# Altium PCB OctopusPB_r0102.PcbDoc (part 1 of 10) (continued)
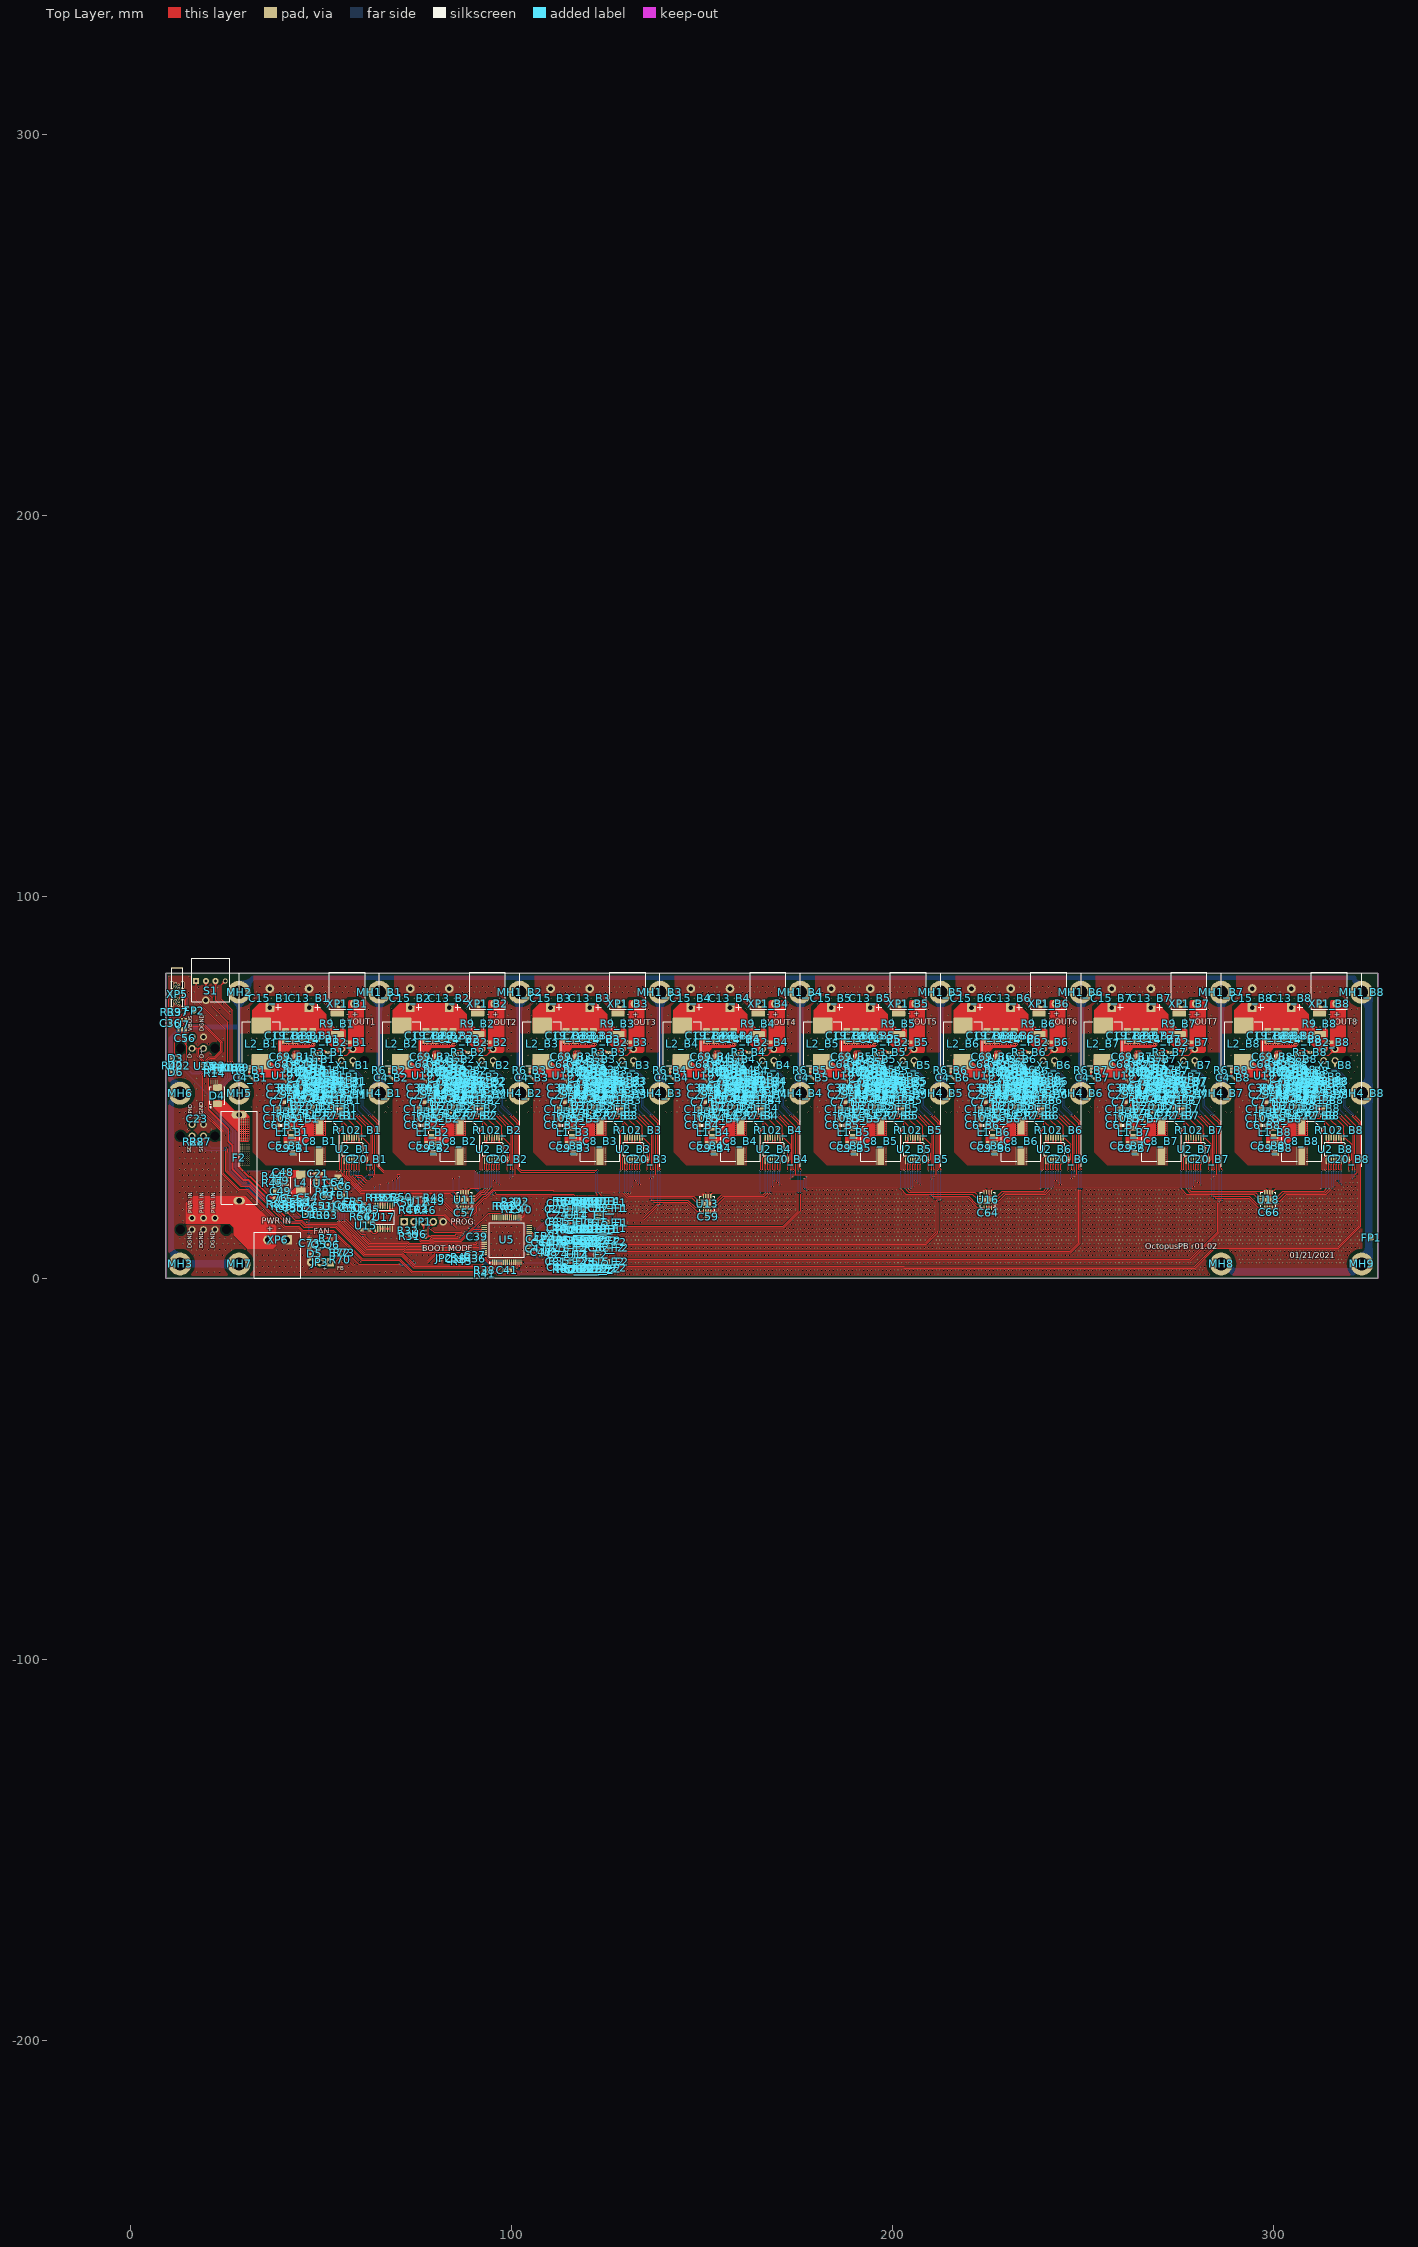
[diagram p0: Top Layer view]
## Classes and differential pairs (continued)
component class Designator: C57 C59 C60 C61 C62 C63 C64 C65 C66 FB5 R12 R13 R46 R47 R48 R49 R50 R51 R52 R54 R55 U11 U12 U13 U15 U16 U17 U18
component class B8: C2_B8 C4_B8 C5_B8 C6_B8 C7_B8 C8_B8 C9_B8 C10_B8 C11_B8 C12_B8 C13_B8 C14_B8 C15_B8 C16_B8 C17_B8 C18_B8 C19_B8 C20_B8 C22_B8 C26_B8 C27_B8 C28_B8 C29_B8 C30_B8 C31_B8 C32_B8 C33_B8 C34_B8 C35_B8 C68_B8 C69_B8 C71_B8 C72_B8 C74_B8 C77_B8 FB1_B8 FB2_B8 L1_B8 L2_B8 L3_B8 MH1_B8 MH4_B8 R1_B8 R2_B8 R3_B8 R4_B8 R5_B8 R6_B8 R7_B8 R8_B8 R9_B8 R10_B8 R11_B8 R20_B8 R21_B8 R23_B8 R24_B8 R25_B8 R26_B8 R58_B8 R59_B8 R65_B8 R66_B8 R67_B8 R74_B8 R83_B8 R102_B8 U2_B8 U3_B8 U4_B8 U19_B8 U20_B8 U21_B8 X1_B8 XP1_B8 XP2_B8
component class B7: C2_B7 C4_B7 C5_B7 C6_B7 C7_B7 C8_B7 C9_B7 C10_B7 C11_B7 C12_B7 C13_B7 C14_B7 C15_B7 C16_B7 C17_B7 C18_B7 C19_B7 C20_B7 C22_B7 C26_B7 C27_B7 C28_B7 C29_B7 C30_B7 C31_B7 C32_B7 C33_B7 C34_B7 C35_B7 C68_B7 C69_B7 C71_B7 C72_B7 C74_B7 C77_B7 FB1_B7 FB2_B7 L1_B7 L2_B7 L3_B7 MH1_B7 MH4_B7 R1_B7 R2_B7 R3_B7 R4_B7 R5_B7 R6_B7 R7_B7 R8_B7 R9_B7 R10_B7 R11_B7 R20_B7 R21_B7 R23_B7 R24_B7 R25_B7 R26_B7 R58_B7 R59_B7 R65_B7 R66_B7 R67_B7 R74_B7 R83_B7 R102_B7 U2_B7 U3_B7 U4_B7 U19_B7 U20_B7 U21_B7 X1_B7 XP1_B7 XP2_B7
component class B6: C2_B6 C4_B6 C5_B6 C6_B6 C7_B6 C8_B6 C9_B6 C10_B6 C11_B6 C12_B6 C13_B6 C14_B6 C15_B6 C16_B6 C17_B6 C18_B6 C19_B6 C20_B6 C22_B6 C26_B6 C27_B6 C28_B6 C29_B6 C30_B6 C31_B6 C32_B6 C33_B6 C34_B6 C35_B6 C68_B6 C69_B6 C71_B6 C72_B6 C74_B6 C77_B6 FB1_B6 FB2_B6 L1_B6 L2_B6 L3_B6 MH1_B6 MH4_B6 R1_B6 R2_B6 R3_B6 R4_B6 R5_B6 R6_B6 R7_B6 R8_B6 R9_B6 R10_B6 R11_B6 R20_B6 R21_B6 R23_B6 R24_B6 R25_B6 R26_B6 R58_B6 R59_B6 R65_B6 R66_B6 R67_B6 R74_B6 R83_B6 R102_B6 U2_B6 U3_B6 U4_B6 U19_B6 U20_B6 U21_B6 X1_B6 XP1_B6 XP2_B6
component class B5: C2_B5 C4_B5 C5_B5 C6_B5 C7_B5 C8_B5 C9_B5 C10_B5 C11_B5 C12_B5 C13_B5 C14_B5 C15_B5 C16_B5 C17_B5 C18_B5 C19_B5 C20_B5 C22_B5 C26_B5 C27_B5 C28_B5 C29_B5 C30_B5 C31_B5 C32_B5 C33_B5 C34_B5 C35_B5 C68_B5 C69_B5 C71_B5 C72_B5 C74_B5 C77_B5 FB1_B5 FB2_B5 L1_B5 L2_B5 L3_B5 MH1_B5 MH4_B5 R1_B5 R2_B5 R3_B5 R4_B5 R5_B5 R6_B5 R7_B5 R8_B5 R9_B5 R10_B5 R11_B5 R20_B5 R21_B5 R23_B5 R24_B5 R25_B5 R26_B5 R58_B5 R59_B5 R65_B5 R66_B5 R67_B5 R74_B5 R83_B5 R102_B5 U2_B5 U3_B5 U4_B5 U19_B5 U20_B5 U21_B5 X1_B5 XP1_B5 XP2_B5
component class B4: C2_B4 C4_B4 C5_B4 C6_B4 C7_B4 C8_B4 C9_B4 C10_B4 C11_B4 C12_B4 C13_B4 C14_B4 C15_B4 C16_B4 C17_B4 C18_B4 C19_B4 C20_B4 C22_B4 C26_B4 C27_B4 C28_B4 C29_B4 C30_B4 C31_B4 C32_B4 C33_B4 C34_B4 C35_B4 C68_B4 C69_B4 C71_B4 C72_B4 C74_B4 C77_B4 FB1_B4 FB2_B4 L1_B4 L2_B4 L3_B4 MH1_B4 MH4_B4 R1_B4 R2_B4 R3_B4 R4_B4 R5_B4 R6_B4 R7_B4 R8_B4 R9_B4 R10_B4 R11_B4 R20_B4 R21_B4 R23_B4 R24_B4 R25_B4 R26_B4 R58_B4 R59_B4 R65_B4 R66_B4 R67_B4 R74_B4 R83_B4 R102_B4 U2_B4 U3_B4 U4_B4 U19_B4 U20_B4 U21_B4 X1_B4 XP1_B4 XP2_B4
component class B3: C2_B3 C4_B3 C5_B3 C6_B3 C7_B3 C8_B3 C9_B3 C10_B3 C11_B3 C12_B3 C13_B3 C14_B3 C15_B3 C16_B3 C17_B3 C18_B3 C19_B3 C20_B3 C22_B3 C26_B3 C27_B3 C28_B3 C29_B3 C30_B3 C31_B3 C32_B3 C33_B3 C34_B3 C35_B3 C68_B3 C69_B3 C71_B3 C72_B3 C74_B3 C77_B3 FB1_B3 FB2_B3 L1_B3 L2_B3 L3_B3 MH1_B3 MH4_B3 R1_B3 R2_B3 R3_B3 R4_B3 R5_B3 R6_B3 R7_B3 R8_B3 R9_B3 R10_B3 R11_B3 R20_B3 R21_B3 R23_B3 R24_B3 R25_B3 R26_B3 R58_B3 R59_B3 R65_B3 R66_B3 R67_B3 R74_B3 R83_B3 R102_B3 U2_B3 U3_B3 U4_B3 U19_B3 U20_B3 U21_B3 X1_B3 XP1_B3 XP2_B3
component class B2: C2_B2 C4_B2 C5_B2 C6_B2 C7_B2 C8_B2 C9_B2 C10_B2 C11_B2 C12_B2 C13_B2 C14_B2 C15_B2 C16_B2 C17_B2 C18_B2 C19_B2 C20_B2 C22_B2 C26_B2 C27_B2 C28_B2 C29_B2 C30_B2 C31_B2 C32_B2 C33_B2 C34_B2 C35_B2 C68_B2 C69_B2 C71_B2 C72_B2 C74_B2 C77_B2 FB1_B2 FB2_B2 L1_B2 L2_B2 L3_B2 MH1_B2 MH4_B2 R1_B2 R2_B2 R3_B2 R4_B2 R5_B2 R6_B2 R7_B2 R8_B2 R9_B2 R10_B2 R11_B2 R20_B2 R21_B2 R23_B2 R24_B2 R25_B2 R26_B2 R58_B2 R59_B2 R65_B2 R66_B2 R67_B2 R74_B2 R83_B2 R102_B2 U2_B2 U3_B2 U4_B2 U19_B2 U20_B2 U21_B2 X1_B2 XP1_B2 XP2_B2
component class B1: C2_B1 C4_B1 C5_B1 C6_B1 C7_B1 C8_B1 C9_B1 C10_B1 C11_B1 C12_B1 C13_B1 C14_B1 C15_B1 C16_B1 C17_B1 C18_B1 C19_B1 C20_B1 C22_B1 C26_B1 C27_B1 C28_B1 C29_B1 C30_B1 C31_B1 C32_B1 C33_B1 C34_B1 C35_B1 C68_B1 C69_B1 C71_B1 C72_B1 C74_B1 C77_B1 FB1_B1 FB2_B1 L1_B1 L2_B1 L3_B1 MH1_B1 MH4_B1 R1_B1 R2_B1 R3_B1 R4_B1 R5_B1 R6_B1 R7_B1 R8_B1 R9_B1 R10_B1 R11_B1 R20_B1 R21_B1 R23_B1 R24_B1 R25_B1 R26_B1 R58_B1 R59_B1 R65_B1 R66_B1 R67_B1 R74_B1 R83_B1 R102_B1 U2_B1 U3_B1 U4_B1 U19_B1 U20_B1 U21_B1 X1_B1 XP1_B1 XP2_B1
channel class BuckConverter: B1 B2 B3 B4 B5 B6 B7 B8
net class VOUT_CH[1..8]: VOUT_CH1 VOUT_CH2 VOUT_CH3 VOUT_CH4 VOUT_CH5 VOUT_CH6 VOUT_CH7 VOUT_CH8
component class Control: C1 C23 C37 C38 C39 C40 C41 C42 C43 C44 C45 C46 C47 C73 D2 D5 D? F1 F? FB3 FP1 FP2 JP1 JP2 JP3 JP? L? MH2 MH3 MH5 MH6 MH7 MH8 MH9 Q5 Q6 R27 R28 R29 R30 R31 R32 R33 R34 R36 R38 R41 R42 R43 R68 R69 R70 R71 R72 R73 R106 R107 R108 R109 S1 U5 U6 U8 U? X3 XP3 XP?
differential pair METER_USB_D: +METER_USB_D_P -METER_USB_D_N
differential pair CUSB_D: +CUSB_D_P -CUSB_D_N
differential pair MCU_USB_D: +MCU_USB_D_P -MCU_USB_D_N

## Components (designator, comment, footprint, x,y, rotation, side; value= is the part's Value field where it differs from the comment)
C1 "100n" CC0402M 109.15,9.325 r90 top
C2_B1 "1n" CC0402M 47.5,54.175 r270 top (schematic designator C2)
C2_B2 "1n" CC0402M 84.325,54.175 r270 top (schematic designator C2)
C2_B3 "1n" CC0402M 121.15,54.175 r270 top (schematic designator C2)
C2_B4 "1n" CC0402M 157.975,54.175 r270 top (schematic designator C2)
C2_B5 "1n" CC0402M 194.8,54.175 r270 top (schematic designator C2)
C2_B6 "1n" CC0402M 231.625,54.175 r270 top (schematic designator C2)
C2_B7 "1n" CC0402M 268.45,54.175 r270 top (schematic designator C2)
C2_B8 "1n" CC0402M 305.275,54.175 r270 top (schematic designator C2)
C3 "1n" CC0603M 51.675,21.45 r180 top
C4 "22u" CC1206M 54.45,25.125 r90 top
C4_B1 "39p" CC0402M 31.6,52.625 r315 top (schematic designator C4)
C4_B2 "39p" CC0402M 68.425,52.625 r315 top (schematic designator C4)
C4_B3 "39p" CC0402M 105.25,52.625 r315 top (schematic designator C4)
C4_B4 "39p" CC0402M 142.075,52.625 r315 top (schematic designator C4)
C4_B5 "39p" CC0402M 178.9,52.625 r315 top (schematic designator C4)
C4_B6 "39p" CC0402M 215.725,52.625 r315 top (schematic designator C4)
C4_B7 "39p" CC0402M 252.55,52.625 r315 top (schematic designator C4)
C4_B8 "39p" CC0402M 289.375,52.625 r315 top (schematic designator C4)
C5 "100n" CC0603M 52.625,25.025 r90 top
C5_B1 "10n" CC0603M 40.8,34.675 r270 top (schematic designator C5)
C5_B2 "10n" CC0603M 77.625,34.675 r270 top (schematic designator C5)
C5_B3 "10n" CC0603M 114.45,34.675 r270 top (schematic designator C5)
C5_B4 "10n" CC0603M 151.275,34.675 r270 top (schematic designator C5)
C5_B5 "10n" CC0603M 188.1,34.675 r270 top (schematic designator C5)
C5_B6 "10n" CC0603M 224.925,34.675 r270 top (schematic designator C5)
C5_B7 "10n" CC0603M 261.75,34.675 r270 top (schematic designator C5)
C5_B8 "10n" CC0603M 298.575,34.675 r270 top (schematic designator C5)
C6 "100n" CC0603M 56.275,24.025 r90 top
C6_B1 "10n" CC0603M 39.575,40.05 r180 top (schematic designator C6)
C6_B2 "10n" CC0603M 76.4,40.05 r180 top (schematic designator C6)
C6_B3 "10n" CC0603M 113.225,40.05 r180 top (schematic designator C6)
C6_B4 "10n" CC0603M 150.05,40.05 r180 top (schematic designator C6)
C6_B5 "10n" CC0603M 186.875,40.05 r180 top (schematic designator C6)
C6_B6 "10n" CC0603M 223.7,40.05 r180 top (schematic designator C6)
C6_B7 "10n" CC0603M 260.525,40.05 r180 top (schematic designator C6)
C6_B8 "10n" CC0603M 297.35,40.05 r180 top (schematic designator C6)
C7_B1 "10n" CC0603M 41.1,46.15 r180 top (schematic designator C7)
C7_B2 "10n" CC0603M 77.925,46.15 r180 top (schematic designator C7)
C7_B3 "10n" CC0603M 114.75,46.15 r180 top (schematic designator C7)
C7_B4 "10n" CC0603M 151.575,46.15 r180 top (schematic designator C7)
C7_B5 "10n" CC0603M 188.4,46.15 r180 top (schematic designator C7)
C7_B6 "10n" CC0603M 225.225,46.15 r180 top (schematic designator C7)
C7_B7 "10n" CC0603M 262.05,46.15 r180 top (schematic designator C7)
C7_B8 "10n" CC0603M 298.875,46.15 r180 top (schematic designator C7)
C8_B1 "330u" CA-D10H10.5-SMD 49.6,35.925 r90 top (schematic designator C8)
C8_B2 "330u" CA-D10H10.5-SMD 86.425,35.925 r90 top (schematic designator C8)
C8_B3 "330u" CA-D10H10.5-SMD 123.25,35.925 r90 top (schematic designator C8)
C8_B4 "330u" CA-D10H10.5-SMD 160.075,35.925 r90 top (schematic designator C8)
C8_B5 "330u" CA-D10H10.5-SMD 196.9,35.925 r90 top (schematic designator C8)
C8_B6 "330u" CA-D10H10.5-SMD 233.725,35.925 r90 top (schematic designator C8)
C8_B7 "330u" CA-D10H10.5-SMD 270.55,35.925 r90 top (schematic designator C8)
C8_B8 "330u" CA-D10H10.5-SMD 307.375,35.925 r90 top (schematic designator C8)
C9_B1 "22u" CC1206M 42.7,34.025 r270 top (schematic designator C9)
C9_B2 "22u" CC1206M 79.525,34.025 r270 top (schematic designator C9)
C9_B3 "22u" CC1206M 116.35,34.025 r270 top (schematic designator C9)
C9_B4 "22u" CC1206M 153.175,34.025 r270 top (schematic designator C9)
C9_B5 "22u" CC1206M 190,34.025 r270 top (schematic designator C9)
C9_B6 "22u" CC1206M 226.825,34.025 r270 top (schematic designator C9)
C9_B7 "22u" CC1206M 263.65,34.025 r270 top (schematic designator C9)
C9_B8 "22u" CC1206M 300.475,34.025 r270 top (schematic designator C9)
C10_B1 "22u" CC1206M 40.35,41.975 r180 top (schematic designator C10)
C10_B2 "22u" CC1206M 77.175,41.975 r180 top (schematic designator C10)
C10_B3 "22u" CC1206M 114,41.975 r180 top (schematic designator C10)
C10_B4 "22u" CC1206M 150.825,41.975 r180 top (schematic designator C10)
C10_B5 "22u" CC1206M 187.65,41.975 r180 top (schematic designator C10)
C10_B6 "22u" CC1206M 224.475,41.975 r180 top (schematic designator C10)
C10_B7 "22u" CC1206M 261.3,41.975 r180 top (schematic designator C10)
C10_B8 "22u" CC1206M 298.125,41.975 r180 top (schematic designator C10)
C11_B1 "22u" CC1206M 40.375,44.275 r180 top (schematic designator C11)
C11_B2 "22u" CC1206M 77.2,44.275 r180 top (schematic designator C11)
C11_B3 "22u" CC1206M 114.025,44.275 r180 top (schematic designator C11)
C11_B4 "22u" CC1206M 150.85,44.275 r180 top (schematic designator C11)
C11_B5 "22u" CC1206M 187.675,44.275 r180 top (schematic designator C11)
C11_B6 "22u" CC1206M 224.5,44.275 r180 top (schematic designator C11)
C11_B7 "22u" CC1206M 261.325,44.275 r180 top (schematic designator C11)
C11_B8 "22u" CC1206M 298.15,44.275 r180 top (schematic designator C11)
C12_B1 "100n" CC0603M 51.5,54.4 r0 top (schematic designator C12)
C12_B2 "100n" CC0603M 88.325,54.4 r0 top (schematic designator C12)
C12_B3 "100n" CC0603M 125.15,54.4 r0 top (schematic designator C12)
C12_B4 "100n" CC0603M 161.975,54.4 r0 top (schematic designator C12)
C12_B5 "100n" CC0603M 198.8,54.4 r0 top (schematic designator C12)
C12_B6 "100n" CC0603M 235.625,54.4 r0 top (schematic designator C12)
C12_B7 "100n" CC0603M 272.45,54.4 r0 top (schematic designator C12)
C12_B8 "100n" CC0603M 309.275,54.4 r0 top (schematic designator C12)
C13_B1 "390u" CA-D10H13P5.0-THR 46.85,73.475 r270 top (schematic designator C13)
C13_B2 "390u" CA-D10H13P5.0-THR 83.675,73.475 r270 top (schematic designator C13)
C13_B3 "390u" CA-D10H13P5.0-THR 120.5,73.475 r270 top (schematic designator C13)
C13_B4 "390u" CA-D10H13P5.0-THR 157.325,73.475 r270 top (schematic designator C13)
C13_B5 "390u" CA-D10H13P5.0-THR 194.15,73.475 r270 top (schematic designator C13)
C13_B6 "390u" CA-D10H13P5.0-THR 230.975,73.475 r270 top (schematic designator C13)
C13_B7 "390u" CA-D10H13P5.0-THR 267.8,73.475 r270 top (schematic designator C13)
C13_B8 "390u" CA-D10H13P5.0-THR 304.625,73.475 r270 top (schematic designator C13)
C14_B1 "100n" CC0402M 49.475,62.65 r270 top (schematic designator C14)
C14_B2 "100n" CC0402M 86.3,62.65 r270 top (schematic designator C14)
C14_B3 "100n" CC0402M 123.125,62.65 r270 top (schematic designator C14)
C14_B4 "100n" CC0402M 159.95,62.65 r270 top (schematic designator C14)
C14_B5 "100n" CC0402M 196.775,62.65 r270 top (schematic designator C14)
C14_B6 "100n" CC0402M 233.6,62.65 r270 top (schematic designator C14)
C14_B7 "100n" CC0402M 270.425,62.65 r270 top (schematic designator C14)
C14_B8 "100n" CC0402M 307.25,62.65 r270 top (schematic designator C14)
C15_B1 "390u" CA-D10H13P5.0-THR 36.575,73.475 r270 top (schematic designator C15)
C15_B2 "390u" CA-D10H13P5.0-THR 73.4,73.475 r270 top (schematic designator C15)
C15_B3 "390u" CA-D10H13P5.0-THR 110.225,73.475 r270 top (schematic designator C15)
C15_B4 "390u" CA-D10H13P5.0-THR 147.05,73.475 r270 top (schematic designator C15)
C15_B5 "390u" CA-D10H13P5.0-THR 183.875,73.475 r270 top (schematic designator C15)
C15_B6 "390u" CA-D10H13P5.0-THR 220.7,73.475 r270 top (schematic designator C15)
C15_B7 "390u" CA-D10H13P5.0-THR 257.525,73.475 r270 top (schematic designator C15)
C15_B8 "390u" CA-D10H13P5.0-THR 294.35,73.475 r270 top (schematic designator C15)
C16_B1 "22u" CC1206M 45.45,63.55 r270 top (schematic designator C16)
C16_B2 "22u" CC1206M 82.275,63.55 r270 top (schematic designator C16)
C16_B3 "22u" CC1206M 119.1,63.55 r270 top (schematic designator C16)
C16_B4 "22u" CC1206M 155.925,63.55 r270 top (schematic designator C16)
C16_B5 "22u" CC1206M 192.75,63.55 r270 top (schematic designator C16)
C16_B6 "22u" CC1206M 229.575,63.55 r270 top (schematic designator C16)
C16_B7 "22u" CC1206M 266.4,63.55 r270 top (schematic designator C16)
C16_B8 "22u" CC1206M 303.225,63.55 r270 top (schematic designator C16)
C17_B1 "22u" CC1206M 43.075,63.55 r270 top (schematic designator C17)
C17_B2 "22u" CC1206M 79.9,63.55 r270 top (schematic designator C17)
C17_B3 "22u" CC1206M 116.725,63.55 r270 top (schematic designator C17)
C17_B4 "22u" CC1206M 153.55,63.55 r270 top (schematic designator C17)
C17_B5 "22u" CC1206M 190.375,63.55 r270 top (schematic designator C17)
C17_B6 "22u" CC1206M 227.2,63.55 r270 top (schematic designator C17)
C17_B7 "22u" CC1206M 264.025,63.55 r270 top (schematic designator C17)
C17_B8 "22u" CC1206M 300.85,63.55 r270 top (schematic designator C17)
C18_B1 "22u" CC1206M 47.825,63.55 r270 top (schematic designator C18)
C18_B2 "22u" CC1206M 84.65,63.55 r270 top (schematic designator C18)
C18_B3 "22u" CC1206M 121.475,63.55 r270 top (schematic designator C18)
C18_B4 "22u" CC1206M 158.3,63.55 r270 top (schematic designator C18)
C18_B5 "22u" CC1206M 195.125,63.55 r270 top (schematic designator C18)
C18_B6 "22u" CC1206M 231.95,63.55 r270 top (schematic designator C18)
C18_B7 "22u" CC1206M 268.775,63.55 r270 top (schematic designator C18)
C18_B8 "22u" CC1206M 305.6,63.55 r270 top (schematic designator C18)
C19_B1 "22u" CC1206M 40.675,63.55 r270 top (schematic designator C19)
C19_B2 "22u" CC1206M 77.5,63.55 r270 top (schematic designator C19)
C19_B3 "22u" CC1206M 114.325,63.55 r270 top (schematic designator C19)
C19_B4 "22u" CC1206M 151.15,63.55 r270 top (schematic designator C19)
C19_B5 "22u" CC1206M 187.975,63.55 r270 top (schematic designator C19)
C19_B6 "22u" CC1206M 224.8,63.55 r270 top (schematic designator C19)
C19_B7 "22u" CC1206M 261.625,63.55 r270 top (schematic designator C19)
C19_B8 "22u" CC1206M 298.45,63.55 r270 top (schematic designator C19)
C20_B1 "100n" CC0402M 62,31.175 r90 top (schematic designator C20)
C20_B2 "100n" CC0402M 98.825,31.175 r90 top (schematic designator C20)
C20_B3 "100n" CC0402M 135.65,31.175 r90 top (schematic designator C20)
C20_B4 "100n" CC0402M 172.475,31.175 r90 top (schematic designator C20)
C20_B5 "100n" CC0402M 209.3,31.175 r90 top (schematic designator C20)
C20_B6 "100n" CC0402M 246.125,31.175 r90 top (schematic designator C20)
C20_B7 "100n" CC0402M 282.95,31.175 r90 top (schematic designator C20)
C20_B8 "100n" CC0402M 319.775,31.175 r90 top (schematic designator C20)
C21 "1u" CC0603M 49.275,27.4 r0 top
C22_B1 "100n" CC0402M 53.25,42.65 r0 top (schematic designator C22)
C22_B2 "100n" CC0402M 90.075,42.65 r0 top (schematic designator C22)
C22_B3 "100n" CC0402M 126.9,42.65 r0 top (schematic designator C22)
C22_B4 "100n" CC0402M 163.725,42.65 r0 top (schematic designator C22)
C22_B5 "100n" CC0402M 200.55,42.65 r0 top (schematic designator C22)
C22_B6 "100n" CC0402M 237.375,42.65 r0 top (schematic designator C22)
C22_B7 "100n" CC0402M 274.2,42.65 r0 top (schematic designator C22)
C22_B8 "100n" CC0402M 311.025,42.65 r0 top (schematic designator C22)
C23 "1n" CC0402M 17.575,41.825 r0 top
C24_F1 "100n" CC0402M 114.625,16.615 r0 top (schematic designator C24)
C24_F2 "100n" CC0402M 114.675,6.265 r0 top (schematic designator C24)
C25_F1 "1n" CC0402M 114.125,18.115 r90 top (schematic designator C25)
C25_F2 "1n" CC0402M 114.175,7.765 r90 top (schematic designator C25)
C26_B1 "1u" CC0603M 48.975,51.475 r270 top (schematic designator C26)
C26_B2 "1u" CC0603M 85.8,51.475 r270 top (schematic designator C26)
C26_B3 "1u" CC0603M 122.625,51.475 r270 top (schematic designator C26)
C26_B4 "1u" CC0603M 159.45,51.475 r270 top (schematic designator C26)
C26_B5 "1u" CC0603M 196.275,51.475 r270 top (schematic designator C26)
C26_B6 "1u" CC0603M 233.1,51.475 r270 top (schematic designator C26)
C26_B7 "1u" CC0603M 269.925,51.475 r270 top (schematic designator C26)
C26_B8 "1u" CC0603M 306.75,51.475 r270 top (schematic designator C26)
C27_B1 "10u" CC0603M 56.6,48.125 r180 top (schematic designator C27)
C27_B2 "10u" CC0603M 93.425,48.125 r180 top (schematic designator C27)
C27_B3 "10u" CC0603M 130.25,48.125 r180 top (schematic designator C27)
C27_B4 "10u" CC0603M 167.075,48.125 r180 top (schematic designator C27)
C27_B5 "10u" CC0603M 203.9,48.125 r180 top (schematic designator C27)
C27_B6 "10u" CC0603M 240.725,48.125 r180 top (schematic designator C27)
C27_B7 "10u" CC0603M 277.55,48.125 r180 top (schematic designator C27)
C27_B8 "10u" CC0603M 314.375,48.125 r180 top (schematic designator C27)
C28_B1 "100n" CC0402M 56.225,49.4 r180 top (schematic designator C28)
C28_B2 "100n" CC0402M 93.05,49.4 r180 top (schematic designator C28)
C28_B3 "100n" CC0402M 129.875,49.4 r180 top (schematic designator C28)
C28_B4 "100n" CC0402M 166.7,49.4 r180 top (schematic designator C28)
C28_B5 "100n" CC0402M 203.525,49.4 r180 top (schematic designator C28)
C28_B6 "100n" CC0402M 240.35,49.4 r180 top (schematic designator C28)
C28_B7 "100n" CC0402M 277.175,49.4 r180 top (schematic designator C28)
C28_B8 "100n" CC0402M 314,49.4 r180 top (schematic designator C28)
C29_B1 "22u" CC1206M 41.175,48.075 r180 top (schematic designator C29)
C29_B2 "22u" CC1206M 78,48.075 r180 top (schematic designator C29)
C29_B3 "22u" CC1206M 114.825,48.075 r180 top (schematic designator C29)
C29_B4 "22u" CC1206M 151.65,48.075 r180 top (schematic designator C29)
C29_B5 "22u" CC1206M 188.475,48.075 r180 top (schematic designator C29)
C29_B6 "22u" CC1206M 225.3,48.075 r180 top (schematic designator C29)
C29_B7 "22u" CC1206M 262.125,48.075 r180 top (schematic designator C29)
C29_B8 "22u" CC1206M 298.95,48.075 r180 top (schematic designator C29)
C30_B1 "100n" CC0603M 41.075,50 r180 top (schematic designator C30)
C30_B2 "100n" CC0603M 77.9,50 r180 top (schematic designator C30)
C30_B3 "100n" CC0603M 114.725,50 r180 top (schematic designator C30)
C30_B4 "100n" CC0603M 151.55,50 r180 top (schematic designator C30)
C30_B5 "100n" CC0603M 188.375,50 r180 top (schematic designator C30)
C30_B6 "100n" CC0603M 225.2,50 r180 top (schematic designator C30)
C30_B7 "100n" CC0603M 262.025,50 r180 top (schematic designator C30)
C30_B8 "100n" CC0603M 298.85,50 r180 top (schematic designator C30)
C31_B1 "10u" CC0603M 56.125,51.575 r270 top (schematic designator C31)
C31_B2 "10u" CC0603M 92.95,51.575 r270 top (schematic designator C31)
C31_B3 "10u" CC0603M 129.775,51.575 r270 top (schematic designator C31)
C31_B4 "10u" CC0603M 166.6,51.575 r270 top (schematic designator C31)
C31_B5 "10u" CC0603M 203.425,51.575 r270 top (schematic designator C31)
C31_B6 "10u" CC0603M 240.25,51.575 r270 top (schematic designator C31)
C31_B7 "10u" CC0603M 277.075,51.575 r270 top (schematic designator C31)
C31_B8 "10u" CC0603M 313.9,51.575 r270 top (schematic designator C31)
C32_B1 "100n" CC0402M 54.9,50.95 r270 top (schematic designator C32)
C32_B2 "100n" CC0402M 91.725,50.95 r270 top (schematic designator C32)
C32_B3 "100n" CC0402M 128.55,50.95 r270 top (schematic designator C32)
C32_B4 "100n" CC0402M 165.375,50.95 r270 top (schematic designator C32)
C32_B5 "100n" CC0402M 202.2,50.95 r270 top (schematic designator C32)
C32_B6 "100n" CC0402M 239.025,50.95 r270 top (schematic designator C32)
C32_B7 "100n" CC0402M 275.85,50.95 r270 top (schematic designator C32)
C32_B8 "100n" CC0402M 312.675,50.95 r270 top (schematic designator C32)
C33_B1 "1n" CC0402M 54.875,52.825 r270 top (schematic designator C33)
C33_B2 "1n" CC0402M 91.7,52.825 r270 top (schematic designator C33)
C33_B3 "1n" CC0402M 128.525,52.825 r270 top (schematic designator C33)
C33_B4 "1n" CC0402M 165.35,52.825 r270 top (schematic designator C33)
C33_B5 "1n" CC0402M 202.175,52.825 r270 top (schematic designator C33)
C33_B6 "1n" CC0402M 239,52.825 r270 top (schematic designator C33)
C33_B7 "1n" CC0402M 275.825,52.825 r270 top (schematic designator C33)
C33_B8 "1n" CC0402M 312.65,52.825 r270 top (schematic designator C33)
C34_B1 "10u" CC0603M 53.5,48.125 r0 top (schematic designator C34)
C34_B2 "10u" CC0603M 90.325,48.125 r0 top (schematic designator C34)
C34_B3 "10u" CC0603M 127.15,48.125 r0 top (schematic designator C34)
C34_B4 "10u" CC0603M 163.975,48.125 r0 top (schematic designator C34)
C34_B5 "10u" CC0603M 200.8,48.125 r0 top (schematic designator C34)
C34_B6 "10u" CC0603M 237.625,48.125 r0 top (schematic designator C34)
C34_B7 "10u" CC0603M 274.45,48.125 r0 top (schematic designator C34)
C34_B8 "10u" CC0603M 311.275,48.125 r0 top (schematic designator C34)
C35_B1 "100n" CC0402M 54.3,49.4 r0 top (schematic designator C35)
C35_B2 "100n" CC0402M 91.125,49.4 r0 top (schematic designator C35)
C35_B3 "100n" CC0402M 127.95,49.4 r0 top (schematic designator C35)
C35_B4 "100n" CC0402M 164.775,49.4 r0 top (schematic designator C35)
C35_B5 "100n" CC0402M 201.6,49.4 r0 top (schematic designator C35)
C35_B6 "100n" CC0402M 238.425,49.4 r0 top (schematic designator C35)
C35_B7 "100n" CC0402M 275.25,49.4 r0 top (schematic designator C35)
C35_B8 "100n" CC0402M 312.075,49.4 r0 top (schematic designator C35)
C36 "1u" CC0603M 10.5,66.9 r270 top
C37 "10n" CC0402M 90.475,5.975 r180 top
C38 "1n" CC0402M 85.47,4.965 r90 top
C39 "100n" CC0402M 91.05,10.85 r90 top
C40 "1u" CC0603M 102.65,17.9 r0 top
C41 "1u" CC0603M 98.85,2 r0 top
C42 "100n" CC0402M 106.6,10.15 r90 top
C43 "1u" CC0603M 110.95,10.05 r90 top
C44 "100n" CC0402M 108.1,9.275 r90 top
C45 "1u" CC0603M 112.45,10.05 r90 top
C46 "10u" CC0603M 107.8,6.775 r270 top
C47 "100n" CC0402M 106.5,7.725 r270 top
C48 "100n" CC0603M 40.1,27.75 r0 top
C49 "22u" CC1206M 39.375,22.825 r0 top
C50 "10u" CC0603M 56.325,19.25 r90 top
C51 "100n" CC0402M 58.675,18.25 r270 top
C52 "22u" CC0805M 41.825,20.7 r180 top
C53 "22u" CC0805M 50.125,18.825 r90 top
C54 "100n" CC0402M 46.475,21.025 r0 top
C55 "100n" CC0402M 42.675,18.425 r180 top
C56 "1u" CC0603M 14.375,62.875 r90 top
C57 "100n" CC0402M 87.775,17.15 r0 top
C58_F1 "1n" CC0402M 119.35,20.215 r90 top (schematic designator C58)
C58_F2 "1n" CC0402M 119.4,9.865 r90 top (schematic designator C58)
C59 "100n" CC0402M 151.565,16.1 r0 top
C60 "100n" CC0402M 57.625,18.25 r270 top
C61 "10u" CC0805M 61.15,18.475 r270 top
C62 "10n" CC0402M 62.3,16.125 r180 top
C63 "100n" CC0402M 75.309,17.859 r0 top
C64 "100n" CC0402M 225.075,17.15 r0 top
C65 "100n" CC0402M 62.65,17.925 r270 top
C66 "100n" CC0402M 298.8,17.2 r0 top
C67_F1 "1n" CC0402M 124.425,14.565 r270 top (schematic designator C67)
C67_F2 "1n" CC0402M 124.475,4.215 r270 top (schematic designator C67)
C68_B1 "100n" CC0603M 41.45,56.1 r180 top (schematic designator C68)
C68_B2 "100n" CC0603M 78.275,56.1 r180 top (schematic designator C68)
C68_B3 "100n" CC0603M 115.1,56.1 r180 top (schematic designator C68)
C68_B4 "100n" CC0603M 151.925,56.1 r180 top (schematic designator C68)
C68_B5 "100n" CC0603M 188.75,56.1 r180 top (schematic designator C68)
C68_B6 "100n" CC0603M 225.575,56.1 r180 top (schematic designator C68)
C68_B7 "100n" CC0603M 262.4,56.1 r180 top (schematic designator C68)
C68_B8 "100n" CC0603M 299.225,56.1 r180 top (schematic designator C68)
C69_B1 "22u" CC1206M 41.975,58.025 r180 top (schematic designator C69)
C69_B2 "22u" CC1206M 78.8,58.025 r180 top (schematic designator C69)
C69_B3 "22u" CC1206M 115.625,58.025 r180 top (schematic designator C69)
C69_B4 "22u" CC1206M 152.45,58.025 r180 top (schematic designator C69)
C69_B5 "22u" CC1206M 189.275,58.025 r180 top (schematic designator C69)
C69_B6 "22u" CC1206M 226.1,58.025 r180 top (schematic designator C69)
C69_B7 "22u" CC1206M 262.925,58.025 r180 top (schematic designator C69)
C69_B8 "22u" CC1206M 299.75,58.025 r180 top (schematic designator C69)
C71_B1 "100n" CC0402M 44.525,49.025 r0 top (schematic designator C71)
C71_B2 "100n" CC0402M 81.35,49.025 r0 top (schematic designator C71)
C71_B3 "100n" CC0402M 118.175,49.025 r0 top (schematic designator C71)
C71_B4 "100n" CC0402M 155,49.025 r0 top (schematic designator C71)
C71_B5 "100n" CC0402M 191.825,49.025 r0 top (schematic designator C71)
C71_B6 "100n" CC0402M 228.65,49.025 r0 top (schematic designator C71)
C71_B7 "100n" CC0402M 265.475,49.025 r0 top (schematic designator C71)
C71_B8 "100n" CC0402M 302.3,49.025 r0 top (schematic designator C71)
C72_B1 "1u" CC0603M 46.65,52.225 r0 top (schematic designator C72)
C72_B2 "1u" CC0603M 83.475,52.225 r0 top (schematic designator C72)
C72_B3 "1u" CC0603M 120.3,52.225 r0 top (schematic designator C72)
C72_B4 "1u" CC0603M 157.125,52.225 r0 top (schematic designator C72)
C72_B5 "1u" CC0603M 193.95,52.225 r0 top (schematic designator C72)
C72_B6 "1u" CC0603M 230.775,52.225 r0 top (schematic designator C72)
C72_B7 "1u" CC0603M 267.6,52.225 r0 top (schematic designator C72)
C72_B8 "1u" CC0603M 304.425,52.225 r0 top (schematic designator C72)
C73 "22u" CC0805M 47.025,9.1 r270 top
C74_B1 "100n" CC0402M 48.47,46.875 r0 top (schematic designator C74)
C74_B2 "100n" CC0402M 85.295,46.875 r0 top (schematic designator C74)
C74_B3 "100n" CC0402M 122.12,46.875 r0 top (schematic designator C74)
C74_B4 "100n" CC0402M 158.945,46.875 r0 top (schematic designator C74)
C74_B5 "100n" CC0402M 195.77,46.875 r0 top (schematic designator C74)
C74_B6 "100n" CC0402M 232.595,46.875 r0 top (schematic designator C74)
C74_B7 "100n" CC0402M 269.42,46.875 r0 top (schematic designator C74)
C74_B8 "100n" CC0402M 306.245,46.875 r0 top (schematic designator C74)
C75 "100n" CC0603M 41,18.2 r90 top
C76 "100n" CC0603M 38.5,20.875 r0 top
C77_B1 "1u" CC0603M 46.65,50.75 r0 top (schematic designator C77)
C77_B2 "1u" CC0603M 83.475,50.75 r0 top (schematic designator C77)
C77_B3 "1u" CC0603M 120.3,50.75 r0 top (schematic designator C77)
C77_B4 "1u" CC0603M 157.125,50.75 r0 top (schematic designator C77)
C77_B5 "1u" CC0603M 193.95,50.75 r0 top (schematic designator C77)
C77_B6 "1u" CC0603M 230.775,50.75 r0 top (schematic designator C77)
C77_B7 "1u" CC0603M 267.6,50.75 r0 top (schematic designator C77)
C77_B8 "1u" CC0603M 304.425,50.75 r0 top (schematic designator C77)
C78_F1 "1n" CC0402M 114.575,19.59 r0 top (schematic designator C78)
C78_F2 "1n" CC0402M 114.625,9.24 r0 top (schematic designator C78)
C79_F1 "1n" CC0402M 124.95,13.09 r180 top (schematic designator C79)
C79_F2 "1n" CC0402M 125,2.74 r180 top (schematic designator C79)
C80_F1 "1n" CC0402M 120.35,12.655 r270 top (schematic designator C80)
C80_F2 "1n" CC0402M 120.4,2.305 r270 top (schematic designator C80)
C81_F1 "1n" CC0402M 114.175,14.665 r270 top (schematic designator C81)
C81_F2 "1n" CC0402M 114.225,4.315 r270 top (schematic designator C81)
C82_F1 "1n" CC0402M 125.4,18.29 r90 top (schematic designator C82)
C82_F2 "1n" CC0402M 125.45,7.94 r90 top (schematic designator C82)
C83 "100n" CC0402M 22.075,55.675 r0 top
C86_F1 "1n" CC0402M 114.625,13.19 r0 top (schematic designator C86)
C86_F2 "1n" CC0402M 114.675,2.84 r0 top (schematic designator C86)
C87_F1 "1n" CC0402M 124.925,19.765 r180 top (schematic designator C87)
C87_F2 "1n" CC0402M 124.975,9.415 r180 top (schematic designator C87)
C88_F1 "1n" CC0402M 119.325,12.655 r270 top (schematic designator C88)
C88_F2 "1n" CC0402M 119.375,2.305 r270 top (schematic designator C88)
C89_F1 "1n" CC0402M 121.275,20.215 r90 top (schematic designator C89)
C89_F2 "1n" CC0402M 121.325,9.865 r90 top (schematic designator C89)
D1 "BAT54HT1G" SOD323 47.1,16.775 r0 top
D2 "150060GS75000" LED0603 102.7,19.975 r0 top
D3 "BAT54HT1G" SOD323 11.845,57.65 r0 top
D4 "SMBJ26A" SMB_UNI 22.8,47.9 r90 top
D5 "BAT54HT1G" SOD323 48.35,6.35 r180 top
D6 "BAT54HT1G" SOD323 11.825,54.025 r0 top
D7 "BAT54HT1G" SOD323 47.175,19.8 r180 top
F2 "696108003002" 696108003002 28.5,20.25 r180 top locked
FB1 "BLM18HG102SN1D" FB0603M 55.125,21.7 r0 top
FB1_B1 "BLM21SP601SH1D" FB0805M 43.65,43.175 r90 top (schematic designator FB1)
FB1_B2 "BLM21SP601SH1D" FB0805M 80.475,43.175 r90 top (schematic designator FB1)
FB1_B3 "BLM21SP601SH1D" FB0805M 117.3,43.175 r90 top (schematic designator FB1)
FB1_B4 "BLM21SP601SH1D" FB0805M 154.125,43.175 r90 top (schematic designator FB1)
FB1_B5 "BLM21SP601SH1D" FB0805M 190.95,43.175 r90 top (schematic designator FB1)
FB1_B6 "BLM21SP601SH1D" FB0805M 227.775,43.175 r90 top (schematic designator FB1)
FB1_B7 "BLM21SP601SH1D" FB0805M 264.6,43.175 r90 top (schematic designator FB1)
FB1_B8 "BLM21SP601SH1D" FB0805M 301.425,43.175 r90 top (schematic designator FB1)
FB2_B1 "BLM18KG260TN1D" FB0603M 56.775,61.875 r0 top (schematic designator FB2)
FB2_B2 "BLM18KG260TN1D" FB0603M 93.6,61.875 r0 top (schematic designator FB2)
FB2_B3 "BLM18KG260TN1D" FB0603M 130.425,61.875 r0 top (schematic designator FB2)
FB2_B4 "BLM18KG260TN1D" FB0603M 167.25,61.875 r0 top (schematic designator FB2)
FB2_B5 "BLM18KG260TN1D" FB0603M 204.075,61.875 r0 top (schematic designator FB2)
FB2_B6 "BLM18KG260TN1D" FB0603M 240.9,61.875 r0 top (schematic designator FB2)
FB2_B7 "BLM18KG260TN1D" FB0603M 277.725,61.875 r0 top (schematic designator FB2)
FB2_B8 "BLM18KG260TN1D" FB0603M 314.55,61.875 r0 top (schematic designator FB2)
FB3 "BLM18HG102SN1D" FB0603M 108.675,11 r0 top
FB4 "BLM21SP601SH1D" FB0805M 44.575,19.85 r270 top
FB5 "BLM18HG102SN1D" FB0603M 58.6,19.975 r0 top
FP1 "FP" FP 325.625,10.55 r0 top
FP2 "FP" FP 16.7,70.2 r0 top
JP1 "HEADER-2.54-THR-1x5-MV" HEADER-2.54-THR-1x5-MV 71.87,14.775 r90 top
JP2 "HEADER-2.54-THR-1x2-MV" HEADER-2.54-THR-1x2-MV 83.585,5.175 r270 top
JP3 "HEADER-2.54-THR-1x3-MV" HEADER-2.54-THR-1x3-MV 52.39,4.15 r270 top
L1_B1 "2.2uH" MGV252010S 42.475,38.25 r90 top (schematic designator L1)
L1_B2 "2.2uH" MGV252010S 79.3,38.25 r90 top (schematic designator L1)
L1_B3 "2.2uH" MGV252010S 116.125,38.25 r90 top (schematic designator L1)
L1_B4 "2.2uH" MGV252010S 152.95,38.25 r90 top (schematic designator L1)
L1_B5 "2.2uH" MGV252010S 189.775,38.25 r90 top (schematic designator L1)
L1_B6 "2.2uH" MGV252010S 226.6,38.25 r90 top (schematic designator L1)
L1_B7 "2.2uH" MGV252010S 263.425,38.25 r90 top (schematic designator L1)
L1_B8 "2.2uH" MGV252010S 300.25,38.25 r90 top (schematic designator L1)
L2_B1 "2.2uH" 104CDMCCDS 34.35,61.525 r90 top (schematic designator L2)
L2_B2 "2.2uH" 104CDMCCDS 71.175,61.525 r90 top (schematic designator L2)
L2_B3 "2.2uH" 104CDMCCDS 108,61.525 r90 top (schematic designator L2)
L2_B4 "2.2uH" 104CDMCCDS 144.825,61.525 r90 top (schematic designator L2)
L2_B5 "2.2uH" 104CDMCCDS 181.65,61.525 r90 top (schematic designator L2)
L2_B6 "2.2uH" 104CDMCCDS 218.475,61.525 r90 top (schematic designator L2)
L2_B7 "2.2uH" 104CDMCCDS 255.3,61.525 r90 top (schematic designator L2)
L2_B8 "2.2uH" 104CDMCCDS 292.125,61.525 r90 top (schematic designator L2)
L3_B1 "33uH" IC0805-M 57.6,51.625 r90 top (schematic designator L3)
L3_B2 "33uH" IC0805-M 94.425,51.625 r90 top (schematic designator L3)
L3_B3 "33uH" IC0805-M 131.25,51.625 r90 top (schematic designator L3)
L3_B4 "33uH" IC0805-M 168.075,51.625 r90 top (schematic designator L3)
L3_B5 "33uH" IC0805-M 204.9,51.625 r90 top (schematic designator L3)
L3_B6 "33uH" IC0805-M 241.725,51.625 r90 top (schematic designator L3)
L3_B7 "33uH" IC0805-M 278.55,51.625 r90 top (schematic designator L3)
L3_B8 "33uH" IC0805-M 315.375,51.625 r90 top (schematic designator L3)
L4 "10uH" 0518CDMCCDS 44.7,25.05 r270 top
MH1_B1 "MH-3.5-PLATED" MH_3.5_PLATED 65.3,75 r0 top locked (schematic designator MH1)
MH1_B2 "MH-3.5-PLATED" MH_3.5_PLATED 102.125,75 r0 top (schematic designator MH1)
MH1_B3 "MH-3.5-PLATED" MH_3.5_PLATED 138.95,75 r0 top (schematic designator MH1)
MH1_B4 "MH-3.5-PLATED" MH_3.5_PLATED 175.775,75 r0 top (schematic designator MH1)
MH1_B5 "MH-3.5-PLATED" MH_3.5_PLATED 212.6,75 r0 top (schematic designator MH1)
MH1_B6 "MH-3.5-PLATED" MH_3.5_PLATED 249.425,75 r0 top (schematic designator MH1)
MH1_B7 "MH-3.5-PLATED" MH_3.5_PLATED 286.25,75 r0 top (schematic designator MH1)
MH1_B8 "MH-3.5-PLATED" MH_3.5_PLATED 323.075,75 r0 top (schematic designator MH1)
MH2 "MH-3.5-PLATED" MH_3.5_PLATED 28.475,75 r0 top locked
MH3 "MH-3.5-PLATED" MH_3.5_PLATED 13,3.7 r0 top locked
MH4_B1 "MH-3.5-PLATED" MH_3.5_PLATED 65.3,48.5 r0 top locked (schematic designator MH4)
MH4_B2 "MH-3.5-PLATED" MH_3.5_PLATED 102.125,48.5 r0 top (schematic designator MH4)
MH4_B3 "MH-3.5-PLATED" MH_3.5_PLATED 138.95,48.5 r0 top (schematic designator MH4)
MH4_B4 "MH-3.5-PLATED" MH_3.5_PLATED 175.775,48.5 r0 top (schematic designator MH4)
MH4_B5 "MH-3.5-PLATED" MH_3.5_PLATED 212.6,48.5 r0 top (schematic designator MH4)
MH4_B6 "MH-3.5-PLATED" MH_3.5_PLATED 249.425,48.5 r0 top (schematic designator MH4)
MH4_B7 "MH-3.5-PLATED" MH_3.5_PLATED 286.25,48.5 r0 top (schematic designator MH4)
MH4_B8 "MH-3.5-PLATED" MH_3.5_PLATED 323.075,48.5 r0 top (schematic designator MH4)
MH5 "MH-3.5-PLATED" MH_3.5_PLATED 28.475,48.5 r0 top locked
MH6 "MH-3.5-PLATED" MH_3.5_PLATED 13,48.5 r0 top locked
MH7 "MH-3.5-PLATED" MH_3.5_PLATED 28.475,3.7 r0 top locked
MH8 "MH-3.5-PLATED" MH_3.5_PLATED 286.25,3.7 r0 top
MH9 "MH-3.5-PLATED" MH_3.5_PLATED 323.125,3.7 r0 top
Q5 "DMP3099L-7" SOT23-3 49.575,8.725 r90 top
Q6 "NX3020NAKW,115" SOT323 52.9,8.675 r180 top
R1 "12k" RC0402M 52.25,22.65 r0 top
R1_B1 "82.5k" RC0402M 48.95,54.65 r0 top (schematic designator R1)
R1_B2 "82.5k" RC0402M 85.775,54.65 r0 top (schematic designator R1)
R1_B3 "82.5k" RC0402M 122.6,54.65 r0 top (schematic designator R1)
R1_B4 "82.5k" RC0402M 159.425,54.65 r0 top (schematic designator R1)
R1_B5 "82.5k" RC0402M 196.25,54.65 r0 top (schematic designator R1)
R1_B6 "82.5k" RC0402M 233.075,54.65 r0 top (schematic designator R1)
R1_B7 "82.5k" RC0402M 269.9,54.65 r0 top (schematic designator R1)
R1_B8 "82.5k" RC0402M 306.725,54.65 r0 top (schematic designator R1)
R2 "806R" RC0402M 50.42,22.675 r0 top
R2_B1 "0R" RC0402M 46.825,56.025 r90 top (schematic designator R2)
R2_B2 "0R" RC0402M 83.65,56.025 r90 top (schematic designator R2)
R2_B3 "0R" RC0402M 120.475,56.025 r90 top (schematic designator R2)
R2_B4 "0R" RC0402M 157.3,56.025 r90 top (schematic designator R2)
R2_B5 "0R" RC0402M 194.125,56.025 r90 top (schematic designator R2)
R2_B6 "0R" RC0402M 230.95,56.025 r90 top (schematic designator R2)
R2_B7 "0R" RC0402M 267.775,56.025 r90 top (schematic designator R2)
R2_B8 "0R" RC0402M 304.6,56.025 r90 top (schematic designator R2)
R3_B1 "5.1k" RC0402M 51.8,59.225 r0 top (schematic designator R3)
R3_B2 "5.1k" RC0402M 88.625,59.225 r0 top (schematic designator R3)
R3_B3 "5.1k" RC0402M 125.45,59.225 r0 top (schematic designator R3)
R3_B4 "5.1k" RC0402M 162.275,59.225 r0 top (schematic designator R3)
R3_B5 "5.1k" RC0402M 199.1,59.225 r0 top (schematic designator R3)
R3_B6 "5.1k" RC0402M 235.925,59.225 r0 top (schematic designator R3)
R3_B7 "5.1k" RC0402M 272.75,59.225 r0 top (schematic designator R3)
R3_B8 "5.1k" RC0402M 309.575,59.225 r0 top (schematic designator R3)
R4_B1 "10k" RC0402M 45.45,56.75 r0 top (schematic designator R4)
R4_B2 "10k" RC0402M 82.275,56.75 r0 top (schematic designator R4)
R4_B3 "10k" RC0402M 119.1,56.75 r0 top (schematic designator R4)
R4_B4 "10k" RC0402M 155.925,56.75 r0 top (schematic designator R4)
R4_B5 "10k" RC0402M 192.75,56.75 r0 top (schematic designator R4)
R4_B6 "10k" RC0402M 229.575,56.75 r0 top (schematic designator R4)
R4_B7 "10k" RC0402M 266.4,56.75 r0 top (schematic designator R4)
R4_B8 "10k" RC0402M 303.225,56.75 r0 top (schematic designator R4)
R5_B1 "2.1k" RC0402M 45.1,41.75 r90 top (schematic designator R5)
R5_B2 "2.1k" RC0402M 81.925,41.75 r90 top (schematic designator R5)
R5_B3 "2.1k" RC0402M 118.75,41.75 r90 top (schematic designator R5)
R5_B4 "2.1k" RC0402M 155.575,41.75 r90 top (schematic designator R5)
R5_B5 "2.1k" RC0402M 192.4,41.75 r90 top (schematic designator R5)
R5_B6 "2.1k" RC0402M 229.225,41.75 r90 top (schematic designator R5)
R5_B7 "2.1k" RC0402M 266.05,41.75 r90 top (schematic designator R5)
R5_B8 "2.1k" RC0402M 302.875,41.75 r90 top (schematic designator R5)
R6_B1 "10k" RC0402M 31.125,54.575 r270 top (schematic designator R6)
R6_B2 "10k" RC0402M 67.95,54.575 r270 top (schematic designator R6)
R6_B3 "10k" RC0402M 104.775,54.575 r270 top (schematic designator R6)
R6_B4 "10k" RC0402M 141.6,54.575 r270 top (schematic designator R6)
R6_B5 "10k" RC0402M 178.425,54.575 r270 top (schematic designator R6)
R6_B6 "10k" RC0402M 215.25,54.575 r270 top (schematic designator R6)
R6_B7 "10k" RC0402M 252.075,54.575 r270 top (schematic designator R6)
R6_B8 "10k" RC0402M 288.9,54.575 r270 top (schematic designator R6)
R7_B1 "10k" RC0402M 55.15,42.625 r180 top (schematic designator R7)
R7_B2 "10k" RC0402M 91.975,42.625 r180 top (schematic designator R7)
R7_B3 "10k" RC0402M 128.8,42.625 r180 top (schematic designator R7)
R7_B4 "10k" RC0402M 165.625,42.625 r180 top (schematic designator R7)
R7_B5 "10k" RC0402M 202.45,42.625 r180 top (schematic designator R7)
R7_B6 "10k" RC0402M 239.275,42.625 r180 top (schematic designator R7)
R7_B7 "10k" RC0402M 276.1,42.625 r180 top (schematic designator R7)
R7_B8 "10k" RC0402M 312.925,42.625 r180 top (schematic designator R7)